# KiCad board Logic_tabor.kicad_pcb (continued)
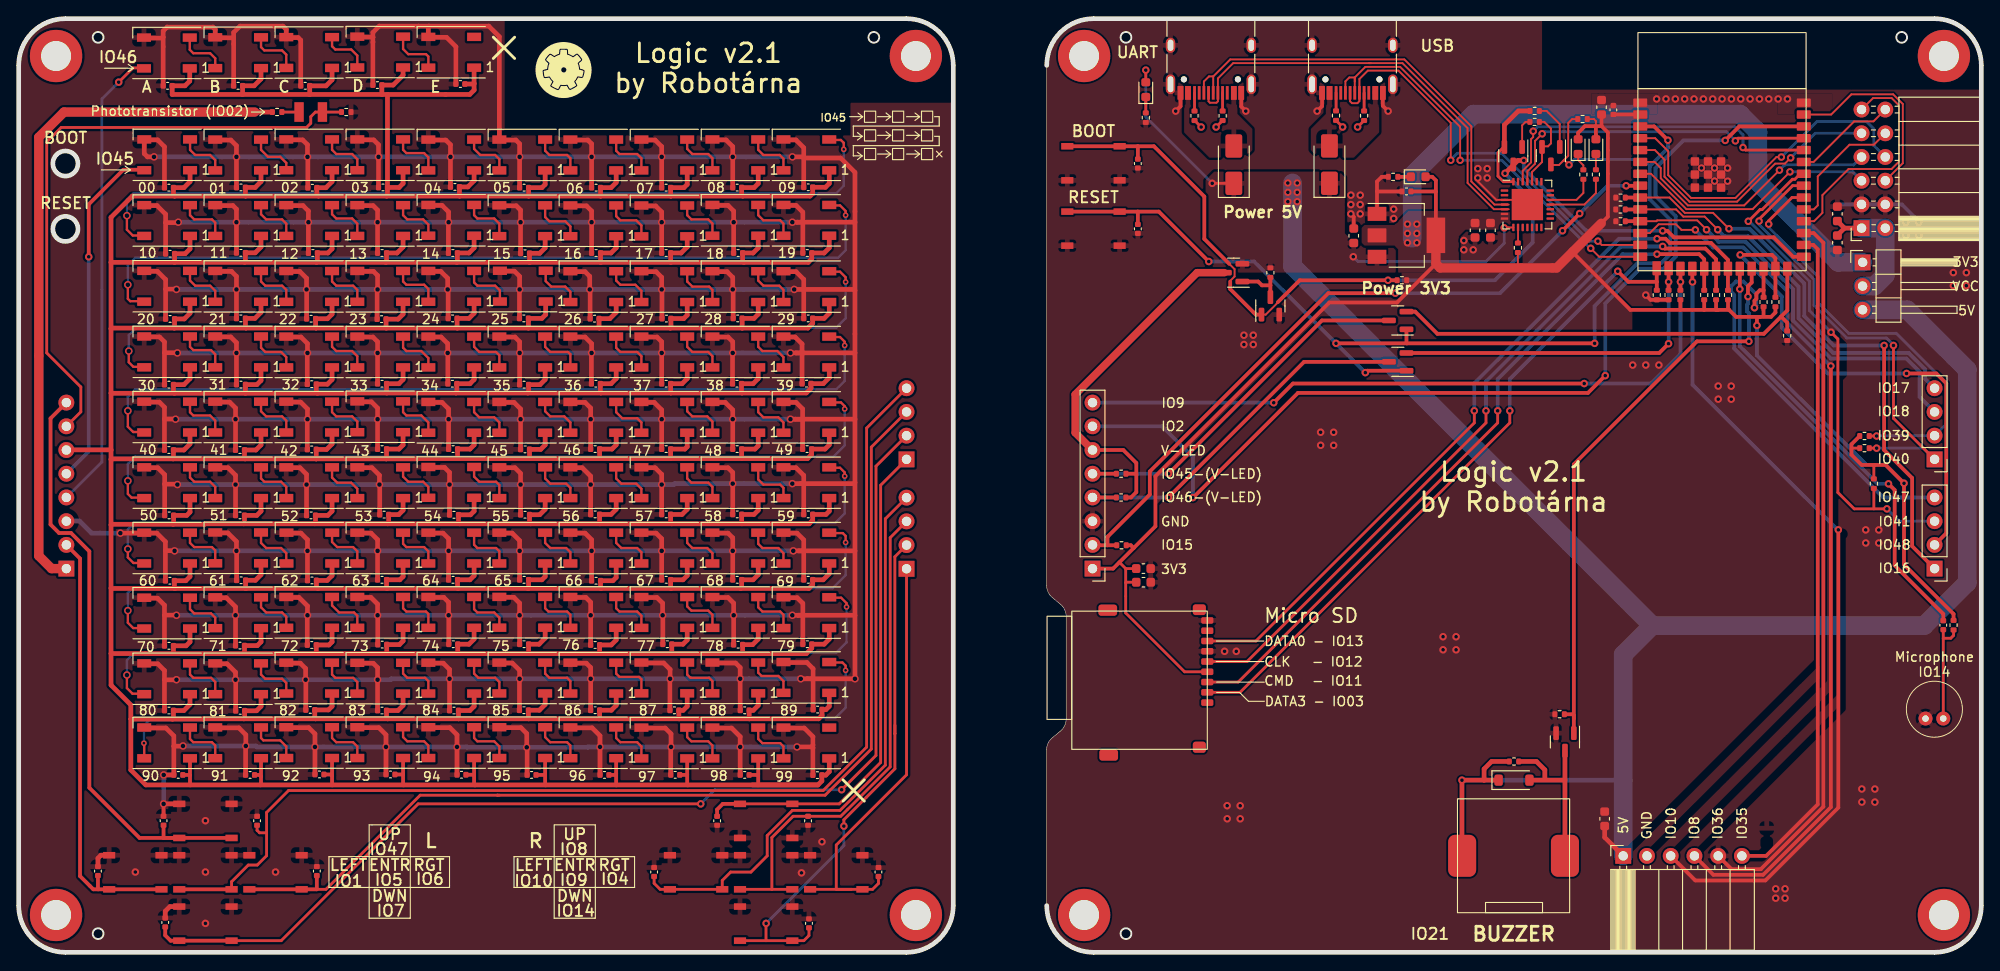
[diagram p0: board, top side]
## Routing (per net, layer and track width the routed paths; a pad name or vN(x,y) marks a point on that pad's centre or on a via; arc(x,y) is an arc through that point) (continued)
Net-(BZ1-+): length 19.2
  Top w0.5: R33.1 162.4,20.44 163.3,19.54 163.3,18.54 ; 165.45,18.44 D114.2 ; 165.45,18.44 BZ1.2 ; 165.45,18.44 165.45,21.54
Net-(D1-K): length 1.7
  Top w0.3: R2.2 D1.1
Net-(D2-K): length 1.4
  Top w0.4: R3.2 148.96,83.06 D2.1
Net-(D3-DOUT): length 5.4
  Top w0.25: 21.03,94.75 21.03,95.75 20.48,96.3 18.68,96.3 18.3,96.68 18.3,97.92
Net-(D4-DOUT): length 5.4
  Top w0.25: 28.63,94.77 28.63,96.15 28.18,96.6 26.28,96.6 25.93,96.95 25.93,97.95
Net-(D5-DOUT): length 5.3
  Top w0.25: 36.23,94.82 36.23,96.05 35.58,96.7 33.88,96.7 33.53,97.05 33.53,97.97
Net-(D9-K): length 1.7
  Top w0.2: R24.1 D9.1
Net-(D10-K): length 1.9
  Top w0.2: R23.1 167.42,84.3 166.86,84.85 D10.1
Net-(D12-DOUT): length 5.3
  Top w0.25: 18.34,87.02 18.34,85.94 18.88,85.4 20.48,85.4 21.03,84.85 21.03,83.8
Net-(D13-DOUT): length 5.1
  Top w0.25: 25.93,87 25.93,85.95 26.68,85.2 27.98,85.2 28.63,84.55 28.63,83.82
Net-(D14-DOUT): length 5.3
  Top w0.25: 36.23,83.82 36.23,84.95 35.68,85.5 33.98,85.5 33.53,85.95 33.53,87.02
Net-(D15-DOUT): length 5.4
  Top w0.25: 41.13,87.02 41.13,85.95 41.48,85.6 43.38,85.6 43.83,85.15 43.83,83.8
Net-(D17-DOUT): length 5.4
  Top w0.25: 59.03,83.8 59.03,85.05 58.68,85.4 56.78,85.4 56.33,85.85 56.33,87
Net-(D18-DOUT): length 5.4
  Top w0.25: 66.63,83.8 66.63,85.05 66.18,85.5 64.28,85.5 63.93,85.85 63.93,87
Net-(D19-DOUT): length 5.3
  Top w0.25: 71.53,87 71.53,86.05 72.08,85.5 73.78,85.5 74.23,85.05 74.23,83.81
Net-(D20-DOUT): length 5.3
  Top w0.25: 81.83,83.81 81.83,85 81.43,85.4 79.68,85.4 79.13,85.95 79.13,87.01
Net-(D22-DOUT): length 5.4
  Top w0.25: 21.03,76.78 21.03,78.15 20.68,78.5 18.78,78.5 18.33,78.95 18.33,79.98
Net-(D23-DOUT): length 5.3
  Top w0.25: 25.93,79.98 25.93,79.05 26.48,78.5 28.18,78.5 28.63,78.05 28.63,76.78
Net-(D24-DOUT): length 5.3
  Top w0.25: 36.23,76.78 36.23,78.05 35.68,78.6 33.98,78.6 33.53,79.05 33.53,79.98
Net-(D25-DOUT): length 5.3
  Top w0.25: 43.83,76.8 43.83,77.95 43.28,78.5 41.58,78.5 41.13,78.95 41.13,79.98
Net-(D27-DOUT): length 5.3
  Top w0.25: 59.03,76.75 59.03,77.75 58.48,78.3 56.78,78.3 56.33,78.75 56.33,79.96
Net-(D28-DOUT): length 5.3
  Top w0.25: 63.93,79.95 63.93,78.85 64.38,78.4 66.08,78.4 66.63,77.85 66.63,76.74
Net-(D29-DOUT): length 5.3
  Top w0.25: 71.53,79.94 71.53,78.95 71.98,78.5 73.78,78.5 74.23,78.05 74.23,76.8
Net-(D30-DOUT): length 5.4
  Top w0.25: 81.83,76.8 81.83,78.05 81.48,78.4 79.68,78.4 79.13,78.95 79.13,80
Net-(D32-DOUT): length 5.3
  Top w0.25: 18.33,72.94 18.33,71.95 18.88,71.4 20.48,71.4 21.03,70.85 21.03,69.73
Net-(D33-DOUT): length 5.4
  Top w0.25: 25.93,72.93 25.93,71.85 26.38,71.4 28.18,71.4 28.63,70.95 28.63,69.72
Net-(D34-DOUT): length 5.4
  Top w0.25: 36.23,69.73 36.23,70.95 35.78,71.4 33.98,71.4 33.53,71.85 33.53,72.92
Net-(D35-DOUT): length 5.4
  Top w0.25: 43.83,69.73 43.83,71.05 43.38,71.5 41.48,71.5 41.13,71.85 41.13,72.93
Net-(D37-DOUT): length 5.2
  Top w0.25: 59.03,69.7 59.03,70.75 58.48,71.3 56.98,71.3 56.39,71.89 56.39,72.95
Net-(D38-DOUT): length 5.3
  Top w0.25: 63.93,72.9 63.93,71.95 64.38,71.5 65.98,71.5 66.63,70.85 66.63,69.7
Net-(D39-DOUT): length 5.4
  Top w0.25: 71.53,72.9 71.53,71.85 72.08,71.3 73.88,71.3 74.23,70.95 74.23,69.7
Net-(D40-DOUT): length 5.3
  Top w0.25: 81.83,69.7 81.83,70.95 81.38,71.4 79.68,71.4 79.13,71.95 79.13,72.9
Net-(D42-DOUT): length 5.4
  Top w0.25: 21.03,62.71 21.03,64.05 20.58,64.5 18.68,64.5 18.33,64.85 18.33,65.91
Net-(D43-DOUT): length 5.3
  Top w0.25: 25.93,65.91 25.93,64.75 26.38,64.3 28.08,64.3 28.63,63.75 28.63,62.7
Net-(D44-DOUT): length 5.3
  Top w0.25: 33.53,65.9 33.53,64.85 33.98,64.4 35.68,64.4 36.23,63.85 36.23,62.7
Net-(D45-DOUT): length 5.3
  Top w0.25: 43.83,62.7 43.83,63.65 43.08,64.4 41.48,64.4 41.13,64.75 41.13,65.9
Net-(D47-DOUT): length 5.4
  Top w0.25: 59.03,62.7 59.03,64.05 58.78,64.3 56.88,64.3 56.33,64.85 56.33,65.9
Net-(D48-DOUT): length 5.4
  Top w0.25: 66.63,62.7 66.63,63.85 66.18,64.3 64.38,64.3 63.93,64.75 63.93,65.9
Net-(D49-DOUT): length 5.3
  Top w0.25: 74.23,62.7 74.23,63.85 73.78,64.3 72.08,64.3 71.53,64.85 71.53,65.9
Net-(D50-DOUT): length 5.3
  Top w0.25: 81.83,62.7 81.83,63.75 81.18,64.4 79.58,64.4 79.13,64.85 79.13,65.9
Net-(D52-DOUT): length 5.4
  Top w0.25: 18.33,58.93 18.33,57.85 18.68,57.5 20.48,57.5 21.03,56.95 21.03,55.73
Net-(D53-DOUT): length 5.3
  Top w0.25: 25.93,58.93 25.93,57.95 26.48,57.4 28.18,57.4 28.63,56.95 28.63,55.73
Net-(D54-DOUT): length 5.3
  Top w0.25: 36.23,55.76 36.23,56.85 35.68,57.4 33.98,57.4 33.53,57.85 33.53,58.93
Net-(D55-DOUT): length 5.3
  Top w0.25: 43.83,55.7 43.83,56.75 43.08,57.5 41.48,57.5 41.13,57.85 41.13,58.96
Net-(D57-DOUT): length 5.2
  Top w0.25: 56.33,58.9 56.33,57.95 56.88,57.4 58.38,57.4 59.03,56.75 59.03,55.7
Net-(D58-DOUT): length 5.3
  Top w0.25: 66.63,55.7 66.63,56.75 66.18,57.2 64.58,57.2 63.93,57.85 63.93,58.9
Net-(D59-DOUT): length 5.3
  Top w0.25: 71.53,58.9 71.53,57.95 72.08,57.4 73.68,57.4 74.23,56.85 74.23,55.7
Net-(D60-DOUT): length 5.3
  Top w0.25: 79.13,58.9 79.13,57.85 79.68,57.3 81.28,57.3 81.83,56.75 81.83,55.7
Net-(D62-DOUT): length 5.3
  Top w0.25: 21.03,48.7 21.03,49.85 20.48,50.4 18.78,50.4 18.33,50.85 18.33,51.9
Net-(D63-DOUT): length 5.4
  Top w0.25: 25.93,51.9 25.93,50.75 26.28,50.4 28.08,50.4 28.63,49.85 28.63,48.7
Net-(D64-DOUT): length 5.2
  Top w0.25: 36.23,48.7 36.23,49.65 35.58,50.3 34.08,50.3 33.53,50.85 33.53,51.9
Net-(D65-DOUT): length 5.2
  Top w0.25: 41.13,51.9 41.13,50.95 41.68,50.4 43.28,50.4 43.83,49.85 43.83,48.73
Net-(D67-DOUT): length 5.3
  Top w0.25: 56.33,51.9 56.33,50.75 56.88,50.2 58.58,50.2 59.03,49.75 59.03,48.7
Net-(D68-DOUT): length 5.3
  Top w0.25: 66.63,48.7 66.63,49.65 66.08,50.2 64.48,50.2 63.93,50.75 63.93,51.9
Net-(D69-DOUT): length 5.4
  Top w0.25: 74.23,48.7 74.23,49.85 73.78,50.3 71.98,50.3 71.53,50.75 71.53,51.9
Net-(D70-DOUT): length 5.4
  Top w0.25: 79.13,51.9 79.13,50.65 79.68,50.1 81.48,50.1 81.83,49.75 81.83,48.7
Net-(D72-DOUT): length 5.4
  Top w0.25: 21.03,41.72 21.03,43.05 20.68,43.4 18.78,43.4 18.33,43.85 18.33,44.9
Net-(D73-DOUT): length 5.3
  Top w0.25: 28.63,41.7 28.63,42.75 28.08,43.3 26.48,43.3 25.93,43.85 25.93,44.92
Net-(D74-DOUT): length 5.3
  Top w0.25: 33.53,44.9 33.53,43.95 34.08,43.4 35.78,43.4 36.23,42.95 36.23,41.7
Net-(D75-DOUT): length 5.4
  Top w0.25: 43.83,41.7 43.83,42.95 43.38,43.4 41.48,43.4 41.13,43.75 41.13,44.9
Net-(D77-DOUT): length 5.3
  Top w0.25: 56.33,44.9 56.33,43.85 56.88,43.3 58.58,43.3 59.03,42.85 59.03,41.7
Net-(D78-DOUT): length 5.3
  Top w0.25: 66.63,41.7 66.63,42.85 66.18,43.3 64.48,43.3 63.93,43.85 63.93,44.9
Net-(D79-DOUT): length 5.3
  Top w0.25: 71.53,44.9 71.53,43.85 72.08,43.3 73.68,43.3 74.23,42.75 74.23,41.7
Net-(D80-DOUT): length 5.3
  Top w0.25: 79.13,44.9 79.13,43.75 79.58,43.3 81.28,43.3 81.83,42.75 81.83,41.7
Net-(D82-DOUT): length 5.3
  Top w0.25: 21.03,34.77 21.03,35.85 20.58,36.3 18.78,36.3 18.33,36.75 18.33,37.93
Net-(D83-DOUT): length 5.3
  Top w0.25: 25.93,37.97 25.93,36.95 26.48,36.4 28.18,36.4 28.63,35.95 28.63,34.81
Net-(D84-DOUT): length 5.3
  Top w0.25: 33.53,38.01 33.53,37.15 34.28,36.4 35.88,36.4 36.23,36.05 36.23,34.81
Net-(D85-DOUT): length 5.5
  Top w0.25: 41.13,38.01 41.13,36.85 41.48,36.5 43.58,36.5 43.83,36.25 43.83,34.81
Net-(D87-DOUT): length 5.5
  Top w0.25: 59.03,34.81 59.03,36.15 58.68,36.5 56.68,36.5 56.33,36.85 56.33,38.02
Net-(D88-DOUT): length 5.4
  Top w0.25: 66.63,34.8 66.63,36.05 66.18,36.5 64.28,36.5 63.93,36.85 63.93,38.01
Net-(D89-DOUT): length 5.4
  Top w0.25: 74.23,34.8 74.23,36.15 73.78,36.6 71.98,36.6 71.53,37.05 71.53,38
Net-(D90-DOUT): length 5.5
  Top w0.25: 81.83,34.78 81.83,36.15 81.48,36.5 79.58,36.5 79.13,36.95 79.13,38
Net-(D93-DOUT): length 5.4
  Top w0.25: 21.03,27.7 21.03,28.95 20.58,29.4 18.68,29.4 18.33,29.75 18.33,30.9
Net-(D94-DOUT): length 5.3
  Top w0.25: 25.93,30.9 25.93,29.75 26.38,29.3 28.18,29.3 28.63,28.85 28.63,27.77
Net-(D95-DOUT): length 5.4
  Top w0.25: 36.23,27.76 36.23,28.95 35.78,29.4 33.88,29.4 33.53,29.75 33.53,30.97
Net-(D96-DOUT): length 5.4
  Top w0.25: 41.13,30.96 41.13,29.85 41.58,29.4 43.48,29.4 43.83,29.05 43.83,27.77
Net-(D98-DOUT): length 5.4
  Top w0.25: 56.33,30.98 56.33,29.85 56.78,29.4 58.68,29.4 59.03,29.05 59.03,27.77
Net-(D100-DIN): length 5.5
  Top w0.25: 63.93,30.97 63.93,29.85 64.28,29.5 66.38,29.5 66.63,29.25 66.63,27.79
Net-(D100-DOUT): length 5.5
  Top w0.25: 71.53,30.99 71.53,29.75 71.88,29.4 73.88,29.4 74.23,29.05 74.23,27.79
Net-(D101-DOUT): length 5.3
  Top w0.25: 79.13,30.99 79.13,29.95 79.48,29.6 81.28,29.6 81.83,29.05 81.83,27.84
Net-(D103-DOUT): length 5.5
  Top w0.25: 18.33,24.03 18.33,22.85 18.68,22.5 20.68,22.5 21.03,22.15 21.03,20.84
Net-(D104-DOUT): length 5.4
  Top w0.25: 28.63,20.86 28.63,22.05 27.98,22.7 26.18,22.7 25.93,22.95 25.93,24.04
Net-(D105-DOUT): length 5.4
  Top w0.25: 33.53,24.06 33.53,22.95 33.98,22.5 35.78,22.5 36.23,22.05 36.23,20.86
Net-(D106-DOUT): length 5.4
  Top w0.25: 41.13,24.06 41.13,23.05 41.58,22.6 43.38,22.6 43.83,22.15 43.83,20.86
Net-(D108-DOUT): length 5.4
  Top w0.25: 59.03,20.84 59.03,22.15 58.68,22.5 56.88,22.5 56.33,23.05 56.33,24.06
Net-(D109-DOUT): length 5.4
  Top w0.25: 63.93,24.04 63.93,22.95 64.38,22.5 66.18,22.5 66.63,22.05 66.63,20.82
Net-(D110-DOUT): length 5.4
  Top w0.25: 74.23,20.82 74.23,22.15 73.78,22.6 71.98,22.6 71.53,23.05 71.53,24.02
Net-(D111-DOUT): length 5.4
  Top w0.25: 79.13,24.02 79.13,22.85 79.58,22.4 81.48,22.4 81.83,22.05 81.83,20.82
Net-(D113-DIN): length 5.5
  Top w0.25: 41.13,98.02 41.13,96.75 41.68,96.2 43.58,96.2 43.83,95.95 43.83,94.8
Net-(J8-CC1): length 1.9
  Top w0.3: J8.A5 143.96,90.12
Net-(J8-CC2): length 1.9
  Top w0.3: J8.B5 140.96,90.13 R17.2
Net-(J11-CC1): length 1.9
  Top w0.3: J11.A5 128.81,90.12 R20.2
Net-(J11-CC2): length 1.9
  Top w0.3: J11.B5 R21.2
Net-(MK1-+): length 11.3
  Top w0.3: 205.93,33.64 206.73,33.64 207.03,33.94 R37.1 ; 205.93,33.64 C129.2 ; 205.93,33.64 MK1.2
Net-(Q1-B): length 3.2
  Top w0.2: 160.87,86.32 160.87,88.58 161.24,88.94 R25.1
Net-(Q1-E): length 11.5
  Top w0.2: 161.22,90.12 R26.2
  Top w0.3: 158.97,86.32 158.29,85.64 158.29,83.13 158.88,82.54 U2.28
  Top w0.5: R26.2 160.47,90.12 158.97,88.62 158.97,86.32
Net-(Q2-B): length 5.1
  Top w0.2: 164.9,86.33 164.9,88.72 163.5,90.12 R26.1
Net-(Q2-E): length 8.4
  Top w0.2: R25.2 163.24,88.94 163.95,88.23 163.95,86.64 163.64,86.33 163,86.33 163,84.65 161.93,83.58 U2.24
Net-(Q3-C): length 1.8
  Top w0.3: Q3.1 R5.2
Net-(Q4-D): length 5.3
  Top w0.4: Q5.1 132.62,71.84 133.03,71.44 133.93,71.44 ; 133.93,71.44 R15.2 ; 133.93,71.44 Q4.3
Net-(U2-~{RSTb}): length 1.7
  Top w0.2: U2.9 160.43,75.98
Net-(U2-~{RXT}/GPIO.1): length 6.9
  Top w0.2: R24.2 168.76,81.32 167.53,80.09 U2.18
Net-(U2-~{TXT}/GPIO.0): length 5.3
  Top w0.2: U2.19 166.68,80.59 167.42,81.33 R23.2

## Copper pours and planes (outline as drawn; the poured copper is in the pictures)
/elektronika.sch/3V3 on Top: 169.33,88.54 169.33,89.74 173.47,89.74 173.43,74.48 170.16,71.22 172.66,68.73 172.66,64.19 147.56,64.19 147.56,63.21 137,63.21 121.63,47.84 121.63,51.28 141.16,70.78 147.29,70.77 147.97,71.44 147.97,73.74 160.92,73.73 160.91,78.17 158.65,78.16 158.65,79.89 168.23,79.9 170.06,81.74 170.03,87.84
/elektronika.sch/3V3 on Top: 160,78.3 159.1,77.4 154.8,77.4 154.1,76.7 154.1,73.6 153.3,72.8 147.6,72.8 147.6,75.3 147.2,75.7 144,75.7 143.7,76 143.7,77.6 144,77.9 147.2,77.9 148.7,79.4 160,79.4
/elektronika.sch/5V on Top: 141.9,83.03 141.9,77 142.2,76.7 143.3,76.7 143.6,76.4 143.6,75.9 143.9,75.6 147.1,75.6 147.5,75.2 147.5,72.8 130.5,72.8 127,76.3 127,82.7 127.92,83.62 141.31,83.62
/elektronika.sch/GND on Top: 163,92.4 210,92.4 210,0 110,0 110,100 163,100
/elektronika.sch/GND on Top: 175.34,89.76 168.29,89.76 168.29,92 175.34,92
/elektronika.sch/GND on Top: 194.04,89.77 188.2,89.77 188.2,92 194.04,92
/elektronika.sch/GND on Bottom: 163,92 210,92 210,0 110,0 110,100 163,100
/ovladaci_prvky.sch/GND on Top: 52,87.5 89,87.5 89,91 100,91 100,0 0,0 0,100 52,100
/ovladaci_prvky.sch/GND on Bottom: 52,87.5 89,87.5 89,91 100,91 100,0 0,0 0,100 52,100
Net-(D7-A) on Top: 139.87,92.78 139.87,89.8 138.26,88.2 138.26,85.91 139.06,85.12 142.86,85.12 145.56,87.82 145.56,92.78
Net-(D8-A) on Top: 130.4,92.78 130.4,89.8 132,88.2 132,85.91 131.2,85.12 127.41,85.12 124.7,87.82 124.7,92.78

## Text on the board
B.Silkscreen: VCC | IO37 | IO5 | IO6 | IO7 | GND | tajná zpráva | - IO11 | DATA3 - IO03 | DATA0 - IO13 | CLK   - IO12 | CMD | 5V | 3V3 | IO1 | IO42 | IO4 | IO38 | IO10 | IO8 | IO36 | IO35 | UART | USB | Micro SD
F.Silkscreen: IO45 | V-LED | IO45-(V-LED) | IO46-(V-LED) | GND | IO15 | 3V3 | IO2 | IO9 | DATA0 - IO13 | CLK   - IO12 | CMD | DATA3 - IO03 | - IO11 | 20 | 70 | 00 | 30 | 10 | 40 | 60 | 80 | 50 | 90 | Phototransistor (IO02) | 01 | 21 | 31 | 61 | 71 | 81 | 11 | 41 | 51 | 91 | 22 | 82 | 42 | 02 | 12 | 52 | 62 | 72 | 32 | 92 | 83 | 13 | 23 | 33 | 03 | 73 | 43 | 63 | 93 | 53 | 34 | 44 | 14 | 24 | 64 | 74 | 84 | 94 | 04 | 54 | 45 | 25 | 55 | 75 | 85 | 05 | 15 | 35 | 95 | 65 | 56 | 76 | 46 | 16 | 26 | 36 | 86 | 66 | 06 | 96 | 37 | 47 | 17 | 57 | 07 | 27 | 67 | 77 | 97 | 87 | 28 | 48 | 58 | 18 | 38 | 68 | 78 | 08 | 88 | 98 | 49 | 99 | 39 | 69 | 29 | 59 | 79 | 09 | 19 | 89 | VCC | 5V | Microphone / IO14 | IO17 | IO18 | IO39 | IO40 | IO47 | IO41 | IO48 | IO16 | IO10 | IO8 | IO36 | IO35 | BOOT | RESET | IO46 | A | B | C | LEFT | IO1 | D | IO5 | UP | ENTR | DWN | IO7 | RGT | IO6 | E | IO14 | IO4 | UART | IO21 | USB | Power 5V | Power 3V3 | Micro SD | L | R | BUZZER | Logic v2.1 / by Robotárna | ×
